# Altium PCB SupBigBrrg_0.PcbDoc (part 28 of 29) (continued)
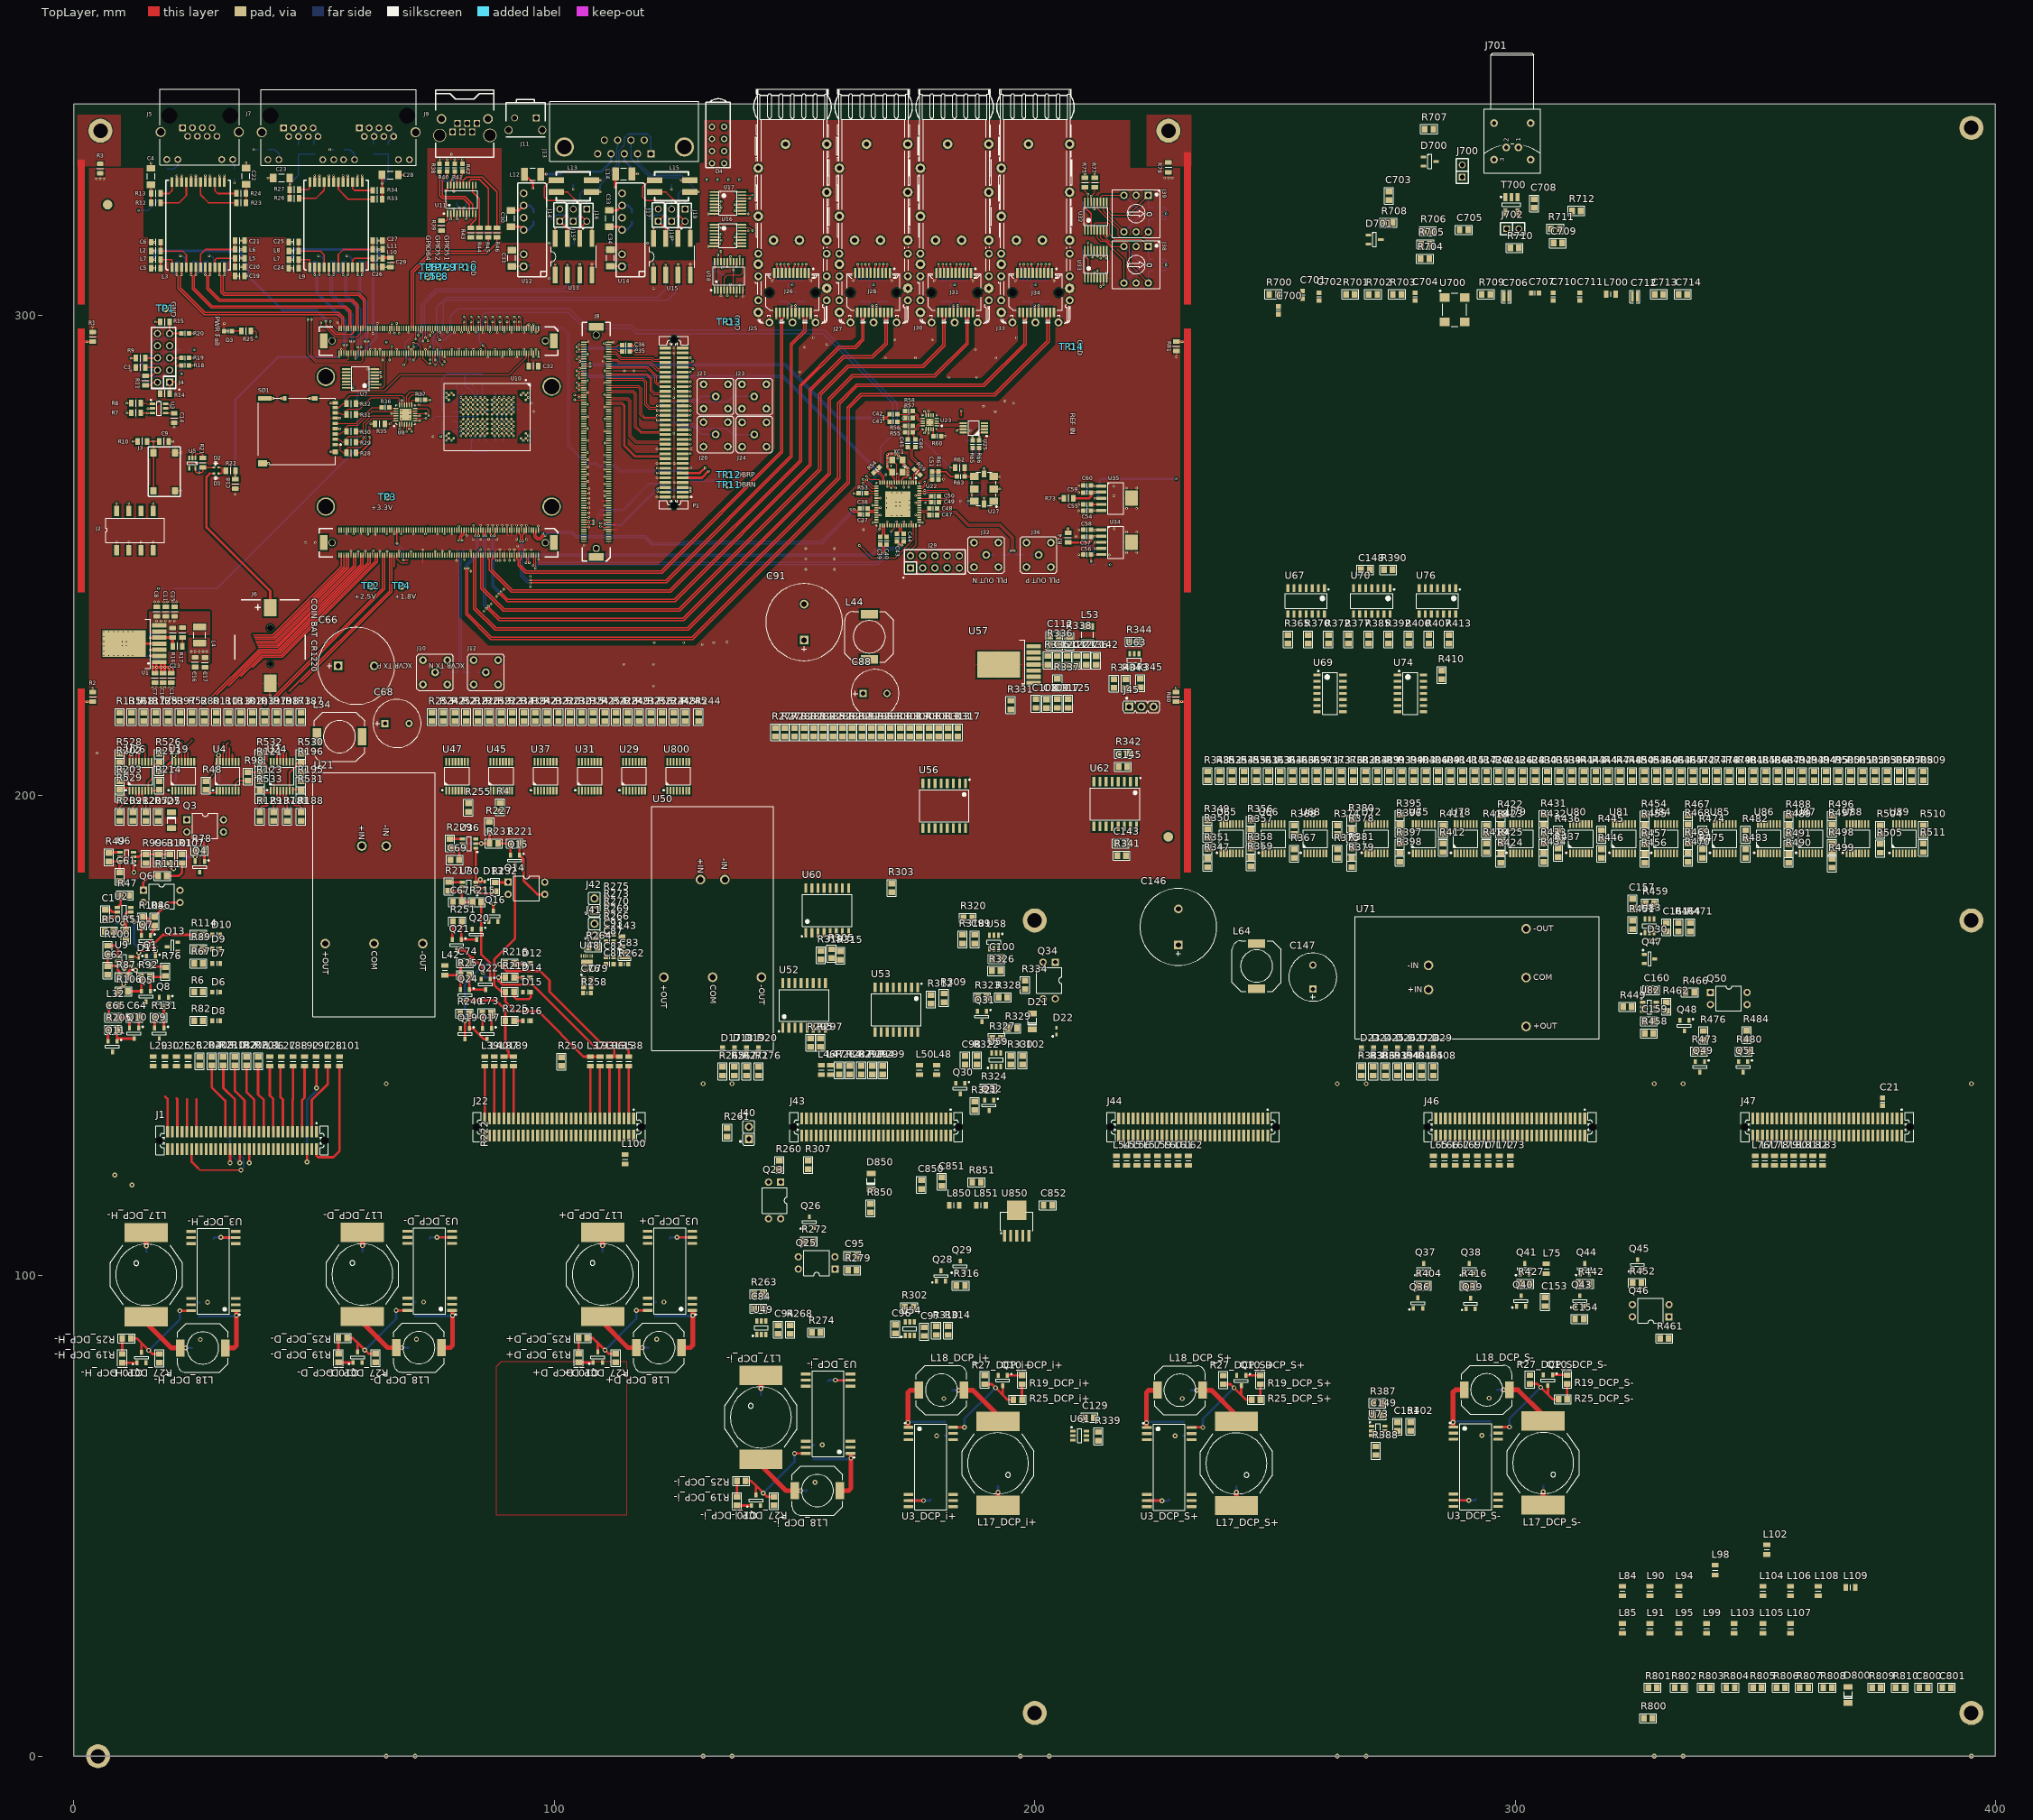
[diagram p0: TopLayer view]
## Nets (pads, with @x,y where several pads share a name; then routed paths per layer and width w, separated by ;. In a path a pad name is that pad's centre, name@x,y a point inside that pad or via, vN(x,y) a via of type N, cw(c..) or ccw(c..) an arc to the next point about the centre after c; other vN are vias at no path point) (continued)
  BottomLayer w0.15: R128.5@180.03,309.7 v1(180.03,310.595)
RateSel1_SFP3: J34.9 R109.5 U33.12 | length 22.7
  TopLayer w0.15: v1(213.05,312.25) U33.12@213.05,313.52
  TopLayer w0.3: v1(196.905,310.595) 196.905,310.17 197.2,309.875 J34.9@197.2,308.8
  MidLayer3 w0.15: v1(196.905,310.595) 196.905,311.055 197.125,311.275 199.775,311.275 200,311.05 200,310.525 200.45,310.075 203.93,310.075 205.41,311.555 212.805,311.555 213.05,311.8 v1(213.05,312.25)
  BottomLayer w0.15: R109.5@196.905,309.7 v1(196.905,310.595)
RL_CH0: R253.1 U47.14
RL_CH0dds: J22.62 U47.3
RL_CH1_1: R252.1 U47.12
RL_CH1_1dds: J22.58 U47.4
RL_CH1_2: R247.1 U47.13
RL_CH1_2dds: J22.54 U47.5
RST_R: J4.6 R9.1 R190.2 | length 8.2
  TopLayer w0.3: R9.1@14.875,291.05 17.33,291.05 J4.6@17.38,291.1
  BottomLayer w0.3: J4.6@17.38,291.1 18.68,292.4 20.975,292.4 21.36,292.785 R190.2@22.36,292.785
RSV0_: R187.1 U24.11 | length 1.9
  TopLayer w0.3: U24.11@44.225,207.071 44.225,208.925
RSV0_Host2i: R280.2 U56.4
RSV0i: R295.1 U56.13
RSV1_: R173.1 U24.12 | length 2.4
  TopLayer w0.3: U24.12@43.575,207.071 43.575,209.475
RSV1_Host2i: R282.2 U56.5
RSV1i: R303.1 U56.12
RSV2_: R198.1 U24.13 | length 2.3
  TopLayer w0.3: U24.13@42.925,207.071 42.925,209.375
RSV2_Host2i: R281.2 U56.6
RSV2i: R312.1 U56.11
RSV3_: R197.1 U24.14 | length 2
  TopLayer w0.3: U24.14@42.275,207.071 42.275,209.025
RSV3_i2Host: R308.2 U60.14
RSV3i: R315.1 U60.3
RSV4_: R168.1 U26.13 | length 3
  TopLayer w0.3: U26.13@13.529,207.071 13.529,210.036
RSV4_i2Host: R306.2 U60.13
RSV4i: R319.1 U60.4
RSV5_: R135.1 U26.14 | length 2.7
  TopLayer w0.3: U26.14@12.879,207.071 12.879,209.721
RSV5_i2Host: R311.2 U60.12
RSV5i: R305.1 U60.5
RSV6_: R117.1 U26.12
RSV6i: R307.1
RSV7_Host2i: R313.2 U62.3
RSV7i: R309.1 U62.14
RSV8_i2Host: R298.2 U52.12
RSV8i: R297.2 U52.5
RSV9_i2Host: R296.2 U52.11
RSV9i: U52.6
RSV10_Host2i: R300.2 U62.4
RSV10i: U62.13
RSV11_Host2i: R304.2 U62.5
RSV11i: U62.12
RSV12_Host2i: R301.2 U62.6
RSV12i: U62.11
RxLos_SFP0: J26.8 R138.6 U16.4 | length 22.9
  TopLayer w0.15: U16.4@133.255,316.925 v1(134.75,316.925)
  TopLayer w0.3: v1(147.08,310.595) 147.08,310.17 147.375,309.875 J26.8@147.375,308.8
  MidLayer4 w0.15: v1(134.75,316.925) 135.89,315.785 135.89,314.893 136.978,313.805 140.295,313.805 141.21,312.89 141.21,309.765 141.62,309.355 146.305,309.355 147.08,310.13 v1(147.08,310.595)
  BottomLayer w0.15: R138.6@147.08,309.7 v1(147.08,310.595)
RxLos_SFP1: J28.8 R134.6 U16.9 | length 31.7
  TopLayer w0.15: v1(137.9,314.325) U16.9@138.95,314.325
  TopLayer w0.3: v1(163.955,310.595) 163.955,310.17 164.25,309.875 J28.8@164.25,308.8
  MidLayer4 w0.15: v1@137.875,314.325 160.6,314.325 163.955,310.97 v1(163.955,310.595)
  BottomLayer w0.15: R134.6@163.955,309.7 v1(163.955,310.595)
RxLos_SFP2: J31.8 R128.6 U17.4 | length 74.4
  TopLayer w0.15: U17.4@133.255,323.7 v1(134.75,323.7)
  TopLayer w0.3: v1(180.83,310.595) 180.83,310.17 181.125,309.875 J31.8@181.125,308.8
  MidLayer4 w0.15: v1(134.75,323.7) 137.905,320.545 140.527,320.545 141.877,319.195 185.652,319.195 187.475,317.372 187.475,309.95 186.95,309.425 182,309.425 v1(180.83,310.595)
  BottomLayer w0.15: R128.6@180.83,309.7 v1(180.83,310.595)
RxLos_SFP3: J34.8 R109.6 U17.9 | length 72
  TopLayer w0.15: U17.9@139.095,321.1 v1(140.35,321.1)
  TopLayer w0.3: v1(197.705,310.595) 197.705,310.17 198,309.875 J34.8@198,308.8
  MidLayer4 w0.15: v1(140.35,321.1) 141.5,322.25 194.975,322.25 197.705,319.52 v1(197.705,310.595)
  BottomLayer w0.15: R109.6@197.705,309.7 v1(197.705,310.595)
SCLK: R235.1 U37.11
SCLK_host2hall: R113.1 U4.13 | length 4.2
  TopLayer w0.3: U4.13@31.675,207.071 31.675,210.575 32.2,211.1
SCLK_Host2i: R285.2 U53.4
SCLKdds: J22.34 U37.6
SCLKi: J43.34 U53.13
SDCARD_CLK: R36.2 SD1.5 | length 11.1
  TopLayer w0.15: SD1.5@54.375,277.475 58.725,277.475 62.05,280.8 R36.2@64.075,280.8
SDCARD_CMD: R30.2 SD1.3 U8.20 | length 15.2
  TopLayer w0.15: SD1.3@54.375,275.275 55.45,275.275 56,275.825 R30.2@56.7,275.825 56.7,276.725 57.05,277.075 59.05,277.075 62.025,280.05 U8.20@67.025,280.05
SDCARD_D0: R31.2 SD1.7 U8.18 | length 16.4
  TopLayer w0.15: SD1.7@54.375,279.675 55.4,279.675 55.75,279.325 R31.2@56.7,279.325 ; R31.2@56.7,279.7 56.7,280.15 57.025,280.475 59.5,280.475 61.825,282.8 67.475,282.8 67.775,282.5 U8.18@67.775,281.3
SDCARD_D1: R32.2 SD1.8 U8.16 | length 17.7
  TopLayer w0.15: SD1.8@54.375,280.775 55.225,280.775 56.025,281.575 R32.2@56.7,281.575 56.7,282.55 57.4,283.25 68.35,283.25 68.775,282.825 U8.16@68.775,281.3
SDCARD_D2: R28.2 SD1.1 U8.23 | length 19.6
  TopLayer w0.15: SD1.1@54.375,273.075 55.125,273.075 55.475,272.725 55.475,271.85 56,271.325 R28.2@56.7,271.325 56.7,272.125 57.025,272.45 59.7,272.45 60.775,273.525 60.775,277.3 62.025,278.55 U8.23@67.025,278.55
SDCARD_D3: R29.2 SD1.2 U8.22 | length 16.9
  TopLayer w0.15: SD1.2@54.375,274.175 55.2,274.175 55.8,273.575 R29.2@56.7,273.575 56.7,274.4 57.05,274.75 59.6,274.75 60.275,275.425 60.275,277.507 61.818,279.05 U8.22@67.025,279.05
SDEPAD1: SD1.9 | length 0.7
  TopLayer w0.5: v1(43.125,282.675) SD1.9@43.875,282.675
SDEPAD2: SD1.10 | length 1
  TopLayer w0.5: v1(53.375,281.725) SD1.10@54.375,281.725
SDEPAD3: SD1.11 | length 1
  TopLayer w0.5: v1(53.375,271.525) SD1.11@54.375,271.525
SDEPAD4: SD1.13 | length 1.8
  TopLayer w0.5: SD1.13@39.725,282.675 v1(41.5,282.675)
SDEPAD5: SD1.12 | length 1.2
  TopLayer w0.5: SD1.12@39.275,269.175 v1(40.475,269.175)
SDEPAD6: SD1.14 | length 1
  TopLayer w0.5: v1(49.075,282.675) SD1.14@50.075,282.675
SDIO_0_: R230.1 U37.12
SDIO_0_DIR: R241.2 U37.7
SDIO_0dds: J22.35 U37.5
SDIO_1&3_DIR: U45.8
SDIO_1_: R220.1 U37.13
SDIO_1dds: J22.38 U37.4
SDIO_2_: U37.14
SDIO_2_DIR: R242.1
SDIO_2dds: J22.39 U37.3
SDIO_3_: R234.1 U45.11
SDIO_3dds: J22.42 U45.6
SDIO_123_DIR: R239.1 U37.1 U37.2
SDIO_CLK: J8.A91 U8.9 | length 20.7
  TopLayer w0.15: U8.9@71.025,279.05 v1(71.95,279.05) ; v1(74.175,295.825) J8.A91@74.175,297.25
  MidLayer3 w0.15: v1(71.95,279.05) 71.18,279.82 71.18,284.63 72.775,286.225 72.775,289.4 73.675,290.3 73.675,293.775 74.175,294.275 v1(74.175,295.825)
SDIO_CMD: J8.A93 U8.4 | length 26.3
  TopLayer w0.15: v1(69.275,275.8) U8.4@69.275,277.3 ; v1(73.675,294.675) J8.A93@73.675,297.25
  MidLayer3 w0.15: v1(69.275,275.8) 69.85,275.225 70.475,275.225 70.825,275.575 70.825,284.775 72.455,286.405 72.455,293.03 73.675,294.25 v1(73.675,294.675)
SDIO_D0: J8.A95 U8.6 | length 24.2
  TopLayer w0.15: v1(70.275,275.8) U8.6@70.275,277.3 ; v1(73.175,295.3) J8.A95@73.175,297.25
  MidLayer3 w0.15: v1(70.275,275.8) 70.275,277.85 70.425,278 70.425,284.85 72.135,286.56 72.135,293.26 73.175,294.3 v1(73.175,295.3)
SDIO_D1: J8.A97 U8.7 | length 30.2
  TopLayer w0.15: U8.7@71.025,278.05 v1(71.95,278.05) ; v1(72.675,294.6) J8.A97@72.675,297.25
  MidLayer3 w0.15: v1(71.95,278.05) 71.95,276.15 70.705,274.905 69.295,274.905 68.775,275.425 68.775,283.675 70.305,285.205 70.31,285.205 71.815,286.71 71.815,293.465 72.675,294.325 v1(72.675,294.6)
SDIO_D2: J8.A101 U8.1 | length 24.4
  TopLayer w0.15: v1(67.775,276.375) U8.1@67.775,277.3 ; v1(71.675,295.825) J8.A101@71.675,297.25
  MidLayer3 w0.15: v1(67.775,276.375) 67.475,276.675 67.475,284.075 68.925,285.525 70.178,285.525 71.495,286.842 71.495,294.47 71.675,294.65 v1(71.675,295.825)
SDIO_D3: J8.A103 U8.3 | length 26.4
  TopLayer w0.15: v1(67.775,275.625) 68.775,276.625 U8.3@68.775,277.3 ; v1(71.175,295.025) J8.A103@71.175,297.25
  MidLayer3 w0.15: v1(67.775,275.625) 67.15,276.25 67.15,284.225 68.77,285.845 70.045,285.845 71.175,286.975 v1(71.175,295.025)
SDIO_SEL: J2.5 R35.1 U8.24 | length 68.9
  TopLayer w0.15: R35.1@64.675,277.375 v1(65.825,277.375) 66.5,278.05 U8.24@67.025,278.05
  TopLayer w0.25: J2.5@16.49,259.275 v1(16.49,260.845)
  MidLayer3 w0.15: v1(16.49,260.845) 16.49,266.765 33.175,283.45 59.75,283.45 v1(65.825,277.375)
SDO: R110.1 U4.14 | length 3.7
  TopLayer w0.3: U4.14@31.025,207.071 31.025,210.775
SDO_i2Host: R286.2 U52.14
SDOi: J43.38 U52.3
SFP_I2C_0.SCL: J26.5 R136.5 U18.6 | length 19.4
  TopLayer w0.15: U18.6@136.65,305.225 v1(136.65,306.4)
  TopLayer w0.3: J26.5@149.775,308.8 149.775,309.975 150.03,310.23 v1(150.03,310.595)
  MidLayer3 w0.15: v1(136.65,306.4) 136.65,307 139,309.35 148.785,309.35 v1(150.03,310.595)
  BottomLayer w0.15: R136.5@150.03,309.7 v1(150.03,310.595)
SFP_I2C_0.SDA: J26.4 R136.6 U18.5 | length 22.1
  TopLayer w0.15: v1(136,304.05) U18.5@136,305.225
  TopLayer w0.3: J26.4@150.575,308.8 150.575,309.925 150.83,310.18 v1(150.83,310.595)
  MidLayer3 w0.15: v1(136,304.05) 137.61,305.66 137.61,306.585 138.05,307.025 143.125,307.025 145.125,309.025 149.26,309.025 v1(150.83,310.595)
  BottomLayer w0.15: R136.6@150.83,309.7 v1(150.83,310.595)
SFP_I2C_1.SCL: J28.5 R133.5 U18.9 | length 35.8
  TopLayer w0.15: U18.9@138.6,305.15 U18.9@138.6,305.225 v1(138.6,306.325)
  TopLayer w0.3: J28.5@166.65,308.8 166.65,309.975 166.905,310.23 v1(166.905,310.595)
  MidLayer3 w0.15: v1(138.6,306.325) 142.878,306.325 145.153,308.6 154.128,308.6 155.703,307.025 158.3,307.025 158.825,306.5 162.81,306.5 v1(166.905,310.595)
  BottomLayer w0.15: R133.5@166.905,309.7 v1(166.905,310.595)
SFP_I2C_1.SDA: J28.4 R133.6 U18.8 | length 40.8
  TopLayer w0.15: v1(137.95,303.975) U18.8@137.95,305.15
  TopLayer w0.3: J28.4@167.45,308.8 167.45,309.925 167.705,310.18 v1(167.705,310.595)
  MidLayer3 w0.15: v1(137.95,303.975) 138.5,304.525 139.65,305.675 142.7,305.675 145.225,308.2 154.075,308.2 155.46,306.815 155.46,304.965 156.125,304.3 157.625,304.3 159.5,306.175 163.285,306.175 v1(167.705,310.595)
  BottomLayer w0.15: R133.6@167.705,309.7 v1(167.705,310.595)
SFP_I2C_2.SCL: J31.5 R126.5 U18.13 | length 53.2
  TopLayer w0.15: v1(137.95,310.05) U18.13@137.95,311.125
  TopLayer w0.3: J31.5@183.525,308.8 183.525,309.975 183.78,310.23 v1(183.78,310.595)
  MidLayer3 w0.15: v1@137.975,310.025 141.875,313.925 181.325,313.925 183.78,311.47 v1(183.78,310.595)
  BottomLayer w0.15: R126.5@183.78,309.7 v1(183.78,310.595)
SFP_I2C_2.SDA: J31.4 R126.6 U18.12 | length 52.6
  TopLayer w0.15: U18.12@138.6,311.125 v1(138.6,312.2)
  TopLayer w0.3: J31.4@184.325,308.8 184.325,309.925 184.58,310.18 v1(184.58,310.595)
  MidLayer3 w0.15: v1(138.6,312.2) 139.69,312.2 141.765,314.275 181.45,314.275 184.58,311.145 v1(184.58,310.595)
  BottomLayer w0.15: R126.6@184.58,309.7 v1(184.58,310.595)
SFP_I2C_3.SCL: J34.5 R105.5 U18.16 | length 74.4
  TopLayer w0.15: v1(136,310.05) U18.16@136,311.125
  TopLayer w0.3: J34.5@200.4,308.8 200.4,309.975 200.655,310.23 v1(200.655,310.595)
  MidLayer3 w0.15: v1(136,310.05) 137.225,311.275 137.225,311.675 138.25,312.7 139.725,312.7 143.9,316.875 179.95,316.875 182.82,314.005 193.97,314.005 194.925,313.05 198.525,313.05 200.655,310.92 v1(200.655,310.595)
  BottomLayer w0.15: R105.5@200.655,309.7 v1(200.655,310.595)
SFP_I2C_3.SDA: J34.4 R105.6 U18.15 | length 73.5
  TopLayer w0.15: U18.15@136.65,311.125 v1(136.65,312.2)
  TopLayer w0.3: J34.4@201.2,308.8 201.2,309.925 201.455,310.18 v1(201.455,310.595)
  MidLayer3 w0.15: v1(136.65,312.2) 137.075,312.2 137.925,313.05 139.6,313.05 143.745,317.195 180.083,317.195 182.953,314.325 194.103,314.325 195.058,313.37 198.68,313.37 v1(201.455,310.595)
  BottomLayer w0.15: R105.6@201.455,309.7 v1(201.455,310.595)
SFP_IO_0.TxDis: J26.3 R136.7 U16.6 | length 29.5
  TopLayer w0.15: U16.6@133.4,315.625 v1(134.75,315.625)
  TopLayer w0.3: J26.3@151.375,308.8 151.375,309.95 151.63,310.205 v1(151.63,310.595)
  MidLayer4 w0.15: v1(134.75,315.625) 135.25,315.125 135.25,314.628 136.713,313.165 140.03,313.165 140.57,312.625 ; 140.57,312.61 140.57,307.802 141.692,306.68 147.715,306.68 v1(151.63,310.595)
  BottomLayer w0.15: R136.7@151.63,309.7 v1(151.63,310.595)
SFP_IO_0.TxFault: J26.2 R136.8 U16.7 | length 30
  TopLayer w0.15: U16.7@133.4,314.975 v1(134.45,314.975)
  TopLayer w0.3: J26.2@152.175,308.8 152.175,309.95 152.43,310.205 v1(152.43,310.595)
  MidLayer4 w0.15: v1(134.45,314.975) 136.58,312.845 139.897,312.845 140.25,312.492 140.25,307.67 141.57,306.35 148.185,306.35 v1(152.43,310.595)
  BottomLayer w0.15: R136.8@152.43,309.7 v1(152.43,310.595)
SFP_IO_1.TxDis: J28.3 R133.7 U16.11 | length 39.3
  TopLayer w0.15: v1@137.895,315.625 v1(137.9,315.625) U16.11@139.095,315.625
  TopLayer w0.3: J28.3@168.25,308.8 168.25,309.95 168.505,310.205 v1(168.505,310.595)
  MidLayer4 w0.15: v1@138.02,315.625 142.55,315.625 144.35,317.425 163.7,317.425 163.825,317.425 165.875,315.375 165.875,314.15 168.505,311.52 v1(168.505,310.595)
  BottomLayer w0.15: R133.7@168.505,309.7 v1(168.505,310.595)
SFP_IO_1.TxFault: J28.2 R133.8 U16.12 | length 40.6
  TopLayer w0.15: v1(137.6,316.275) U16.12@139.095,316.275
  TopLayer w0.3: J28.2@169.05,308.8 169.05,309.95 169.305,310.205 v1(169.305,310.595)
  MidLayer4 w0.15: v1(137.6,316.275) 142.747,316.275 144.217,317.745 163.833,317.745 163.958,317.745 166.195,315.508 166.195,314.33 169.305,311.22 v1(169.305,310.595)
  BottomLayer w0.15: R133.8@169.305,309.7 v1(169.305,310.595)
SFP_IO_2.TxDis: J31.3 R126.7 U17.6 | length 67.1
  TopLayer w0.15: U17.6@133.4,322.4 v1(134.75,322.4)
  TopLayer w0.3: J31.3@185.125,308.8 185.125,309.95 185.38,310.205 v1(185.38,310.595)
  MidLayer4 w0.15: v1(134.75,322.4) 135.025,322.4 137.53,319.895 140.258,319.895 141.608,318.545 185.383,318.545 186.825,317.103 186.825,311 186.825,310.25 186.65,310.075 185.75,310.075 185.38,310.445 v1(185.38,310.595)
  BottomLayer w0.15: R126.7@185.38,309.7 v1(185.38,310.595)
SFP_IO_2.TxFault: J31.2 R126.8 U17.7 | length 64.4
  TopLayer w0.15: U17.7@133.4,321.75 v1(134.45,321.75)
  TopLayer w0.3: J31.2@185.925,308.8 185.925,309.95 186.18,310.205 v1(186.18,310.595)
  MidLayer4 w0.15: v1(134.45,321.75) 135.2,321.75 137.375,319.575 140.125,319.575 141.475,318.225 185.25,318.225 186.505,316.97 186.505,310.92 v1(186.18,310.595)
  BottomLayer w0.15: R126.8@186.18,309.7 v1(186.18,310.595)
SFP_IO_3.TxDis: J34.3 R105.7 U17.11 | length 76.7
  TopLayer w0.15: v1@137.895,322.4 v1(137.9,322.4) U17.11@139.095,322.4
  TopLayer w0.3: J34.3@202,308.8 202,309.95 202.255,310.205 v1(202.255,310.595)
  MidLayer4 w0.15: v1(137.9,322.4) 139.65,322.4 140.14,322.89 195.24,322.89 198.345,319.785 198.345,314.955 202.255,311.045 v1(202.255,310.595)
  BottomLayer w0.15: R105.7@202.255,309.7 v1(202.255,310.595)
SFP_IO_3.TxFault: J34.2 R105.8 U17.12 | length 77.9
  TopLayer w0.15: v1(137.6,323.05) U17.12@139.095,323.05
  TopLayer w0.3: J34.2@202.8,308.8 202.8,309.95 203.055,310.205 v1(203.055,310.595)
  MidLayer4 w0.15: v1(137.6,323.05) 139.59,323.05 139.75,323.21 195.373,323.21 198.665,319.918 198.665,315.61 203.055,311.22 v1(203.055,310.595)
  BottomLayer w0.15: R105.8@203.055,309.7 v1(203.055,310.595)
SFP_RX_0.IO_N: J8.B20 J26.13 | length 97.7
  TopLayer w0.25: J8.B20@92.175,250.05 92.175,249.375 92.463,249.088 92.463,247.863 94,246.325 122.404,246.325 147.55,271.471 147.55,299.3 147.75,299.5 J26.13@147.75,300.625
SFP_RX_0.IO_P: J8.B16 J26.12 | length 96.3
  TopLayer w0.25: J8.B16@93.175,250.05 93.175,249.375 92.888,249.088 92.888,248.039 94.176,246.75 122.228,246.75 147.125,271.647 147.125,299.325 146.95,299.5 J26.12@146.95,300.625
SFP_RX_1.IO_N: J8.B44 J28.13 | length 119.8
  TopLayer w0.25: J8.B44@86.175,250.05 86.175,249.375 86.463,249.088 86.463,246.963 91.05,242.375 124.25,242.375 151.5,269.625 151.5,285.224 159.351,293.075 162.725,293.075 164.463,294.813 164.463,299.287 164.65,299.475 J28.13@164.65,300.6
SFP_RX_1.IO_P: J8.B40 J28.12 | length 118.4
  TopLayer w0.25: J8.B40@87.175,250.05 87.175,249.375 86.888,249.088 86.888,247.139 91.226,242.8 124.074,242.8 151.075,269.801 151.075,285.4 159.175,293.5 162.549,293.5 164.038,294.989 164.038,299.287 163.85,299.475 J28.12@163.85,300.6
SFP_RX_2.IO_N: J8.B50 J31.13 | length 144.6
  TopLayer w0.25: J8.B50@84.675,250.05 84.675,249.375 84.713,249.337 84.713,243.061 89.349,238.425 126.076,238.425 155.45,267.799 155.45,283.374 161.201,289.125 176.814,289.125 181.313,293.624 181.313,299.262 181.525,299.475 J31.13@181.525,300.6
SFP_RX_2.IO_P: J8.B48 J31.12 | length 143.1
  TopLayer w0.25: J8.B48@85.175,250.05 85.175,249.375 85.138,249.337 85.138,246.663 85.138,243.238 89.525,238.85 125.9,238.85 155.025,267.975 155.025,283.55 161.025,289.55 176.638,289.55 180.888,293.8 180.888,299.312 180.725,299.475 J31.12@180.725,300.6
SFP_RX_3.IO_N: J8.B56 J34.13 | length 168.5
  TopLayer w0.25: J8.B56@83.175,250.05 83.175,249.375 83.213,249.338 83.213,238.911 87.649,234.475 127.894,234.475 159.4,265.981 159.4,281.524 163.051,285.175 189.526,285.175 198.213,293.861 198.213,299.287 198.4,299.475 J34.13@198.4,300.6
SFP_RX_3.IO_P: J8.B54 J34.12 | length 167.1
  TopLayer w0.25: J8.B54@83.675,250.05 83.675,249.375 83.638,249.337 83.638,239.088 87.825,234.9 127.718,234.9 158.975,266.157 158.975,281.7 162.875,285.6 189.35,285.6 197.788,294.038 197.788,299.287 197.6,299.475 J34.12@197.6,300.6
SFP_TX_0.IO_N: J8.B17 J26.19 | length 109.3
  TopLayer w0.25: J8.B17@92.675,255.25 92.675,254.575 92.963,254.288 92.963,253.097 v1(92.84,252.975) ; v1(94.975,244.228) v1@95.098,244.35 ; v1@94.975,244.35 123.33,244.35 149.525,270.545 149.525,293.788 152.388,296.65 152.388,299.287 152.575,299.475 J26.19@152.575,300.6
  BottomLayer w0.25: v1(92.84,252.975) 92.963,252.852 92.963,245.731 94.344,244.35 94.853,244.35 v1(94.975,244.228)
SFP_TX_0.IO_P: J8.B13 J26.18 | length 107.7
  TopLayer w0.25: v1(93.51,252.975) 93.388,253.097 93.388,254.288 93.675,254.575 J8.B13@93.675,255.25 ; v1(94.975,244.898) 95.098,244.775 123.154,244.775 149.1,270.721 149.1,293.964 151.963,296.826 151.963,299.287 151.775,299.475 J26.18@151.775,300.6
  BottomLayer w0.25: v1(93.51,252.975) 93.388,252.852 93.388,245.908 94.52,244.775 94.853,244.775 v1(94.975,244.898)
SFP_TX_1.IO_N: J8.B41 J28.19 | length 133.5
  TopLayer w0.25: J8.B41@86.675,255.25 86.675,254.575 86.849,254.401 v1(86.849,254.075) ; v1(88.451,241.951) 88.625,241.951 90.176,240.4 91.999,240.4 125.164,240.4 153.475,268.711 153.475,284.299 160.276,291.1 166.326,291.1 169.263,294.036 169.263,299.287 169.45,299.475 J28.19@169.45,300.6
  BottomLayer w0.25: v1(86.849,254.075) 86.984,253.939 86.984,243.591 88.451,242.124 v1(88.451,241.951)
SFP_TX_1.IO_P: J8.B37 J28.18 | length 132.1
  TopLayer w0.25: v1(87.545,254.075) 87.545,254.445 87.675,254.575 J8.B37@87.675,255.25 ; v1(88.925,242.425) 88.925,242.252 90.352,240.825 92.175,240.825 124.988,240.825 153.05,268.887 153.05,284.475 160.1,291.525 166.15,291.525 168.838,294.213 168.838,299.287 168.65,299.475 J28.18@168.65,300.6
  BottomLayer w0.25: v1(87.545,254.075) 87.409,253.939 87.409,243.767 88.752,242.425 v1(88.925,242.425)
SFP_TX_2.IO_N: J8.B47 J31.19 | length 157.6
  TopLayer w0.25: v1(85.124,254.075) v1@85.175,254.126 ; J8.B47@85.175,255.25 85.175,254.575 85.213,254.537 v1@85.213,254.075 ; v1(85.838,238.938) 86.011,238.938 88.499,236.45 126.97,236.45 157.425,266.905 157.425,282.449 162.126,287.15 179.264,287.15 186.138,294.024 186.138,299.287 186.325,299.475 J31.19@186.325,300.6
  BottomLayer w0.25: v1(85.124,254.075) 85.259,253.939 85.259,239.69 85.838,239.111 v1(85.838,238.938)
SFP_TX_2.IO_P: J8.B45 J31.18 | length 156.2
  TopLayer w0.25: J8.B45@85.675,255.25 85.675,254.575 85.638,254.537 85.638,254.258 v1(85.82,254.075) ; v1(86.312,239.412) 86.312,239.238 88.675,236.875 89.72,236.875 126.794,236.875 157,267.081 157,282.625 161.95,287.575 179.088,287.575 185.713,294.2 185.713,299.287 185.525,299.475 J31.18@185.525,300.6
  BottomLayer w0.25: v1(85.82,254.075) 85.684,253.939 85.684,239.866 86.138,239.412 v1(86.312,239.412)
SFP_TX_3.IO_N: J8.B53 J34.19 | length 183.2
  TopLayer w0.25: v1(81.428,247.35) 81.55,247.227 81.55,237.724 86.774,232.5 128.8,232.5 161.375,265.075 161.375,280.624 163.951,283.2 191.714,283.2 203.013,294.499 203.013,299.287 203.2,299.475 J34.19@203.2,300.6 ; v1(83.578,254.075) 83.578,254.176 83.675,254.273 83.675,254.575 J8.B53@83.675,255.25
  BottomLayer w0.25: v1(81.428,247.35) 81.55,247.472 81.55,248.049 83.7,250.199 83.7,253.952 v1(83.578,254.075)
SFP_TX_3.IO_P: J8.B51 J34.18 | length 181.8
  TopLayer w0.25: v1(82.098,247.35) 81.975,247.227 81.975,237.9 86.95,232.925 128.624,232.925 160.95,265.251 160.95,280.8 163.775,283.625 191.538,283.625 202.588,294.675 202.588,299.287 202.4,299.475 J34.18@202.4,300.6 ; J8.B51@84.175,255.25 84.175,254.147 v1(84.248,254.075)
  BottomLayer w0.25: v1(82.098,247.35) 81.975,247.472 81.975,247.873 84.125,250.023 84.125,253.952 v1(84.248,254.075)
Start_dDCP+: U69.10 U76.11
Start_dDCP-: U69.13 U76.12
Start_hDCP: U74.2 U76.5
Start_iDCP+: U69.2 U76.6
Start_iDCP-: U69.5 U76.10
Start_sDCP+: U67.1 U67.2 U74.5 U76.13
Start_sDCP-: U67.3 U74.10
StripGND: R1.2 | length 3.4
  TopLayer w0.5: 1.7,294.5 R1.2@3.9,294.5
  BottomLayer w0.5: 1.4,294.5 v1(2.65,294.5)
StripGND_T: R81.2 | length 3.4
  TopLayer w0.5: R81.2@229.45,294.5 231.65,294.5
  BottomLayer w0.5: v1(230.675,294.5) 231.925,294.5
SW: R80.1@27.117,215.5 U19.11 | length 2.1
  TopLayer w0.3: U19.11@23.725,207.071 23.725,209.125
Sync_clk: R223.1 U45.12
SYNC_In: R226.1 U45.14
SYNC_In_dds: J22.47 U45.3
SyncClk_dds: J22.43 U45.5
SyncOut_: R218.1 U47.11
SyncOut_dds: J22.50 U47.6
TCK_R: J4.1 R14.1 R18.2 U44.1 | length 16.7
  TopLayer w0.25: R14.1@19.925,283.675 19.925,286.015 J4.1@19.92,286.02 J4.1@19.96,286.06
  TopLayer w0.3: J4.1@19.96,286.06 20.86,286.06 21.225,286.425 21.225,289.25 21.475,289.5 R18.2@22.375,289.5
  BottomLayer w0.3: U44.1@12.835,287.61 13.81,287.61 16.685,284.735 18.635,284.735 J4.1@19.92,286.02
TDI_R: J4.9 R15.1 R20.2 U44.3 | length 16.1
  TopLayer w0.25: J4.9@19.92,296.18 J4.9@19.95,296.21
  TopLayer w0.3: J4.9@19.92,296.18 19.92,298.57 R15.1@19.925,298.575 ; J4.9@19.95,296.21 R20.2@22.36,296.21
  BottomLayer w0.3: U44.3@12.835,289.51 13.76,289.51 16.085,291.835 16.085,294.26 16.76,294.935 18.675,294.935 J4.9@19.92,296.18
TDO_R: J4.3 R177.2 U44.6 | length 58.8
  MidLayer3 w0.15: J4.3@19.92,288.56 25.535,288.56 26.5,289.525 26.5,292.025 25.6,292.925 25.6,294.3 27.25,295.95 60.765,295.95 61.74,294.975 64.5,294.975 v1(65.075,294.4)
  BottomLayer w0.15: v1(65.075,294.4) R177.2@65.075,295.15
  BottomLayer w0.3: U44.6@15.435,287.61 16.335,287.61 16.685,287.26 18.62,287.26 J4.3@19.92,288.56
TMS_R: J4.5 R19.2 R191.1 U44.4 | length 10.1
  TopLayer w0.3: J4.5@19.92,291.1 22.35,291.1 R19.2@22.36,291.11
  BottomLayer w0.3: U44.4@15.435,289.51 16.285,289.51 16.635,289.86 18.68,289.86 J4.5@19.92,291.1 19.945,291.125 R191.1@22.375,291.125
TX_LEMO_N: C185.1 R159.2 R160.1 | length 27.6
  BottomLayer w0.25: C185.1@81.075,251.475 81.075,250.875 80.638,250.438 80.638,248.461 80.563,248.386 80.563,247.586 80.53,247.553 80.53,247.052 80.563,247.019 80.563,246.992 80.638,246.917 80.638,231.713 80.625,231.7 80.625,226.625 81.1,226.15 R160.1@81.1,225.7 81.15,225.65 R159.2@82.45,225.65
TX_LEMO_P: C188.1 R161.1 R162.2 | length 27.6
  BottomLayer w0.25: R162.2@78.425,225.65 79.7,225.65 R161.1@79.75,225.7 79.75,226.175 80.2,226.625 80.2,246.753 80.138,246.816 80.138,246.843 80.105,246.876 80.105,247.729 80.138,247.762 80.138,248.562 80.213,248.637 80.213,250.438 79.775,250.875 C188.1@79.775,251.475
UART_CTS: R44.1
UART_RTS: R43.1
UART_RX: J8.A105 R46.1 | length 32.7
  TopLayer w0.25: J8.A105@70.675,297.25 70.675,308.893 74.657,312.875 85.875,312.875 88.025,315.025 R46.1@88.025,316.175
UART_TX: J8.A107 R45.1 | length 31.9
  TopLayer w0.25: J8.A107@70.175,297.25 70.175,309.1 74.45,313.375 85.225,313.375 86.225,314.375 R45.1@86.225,316.175
USB3_SSRX_N: J8.A141
USB3_SSRX_P: J8.A137
USB3_SSTX_N: J8.A140
USB3_SSTX_P: J8.A136
VBUT: C18.2 J8.A168 R22.1 | length 42.6
  TopLayer w0.2: v1(55.175,291.25) J8.A168@55.175,292.05
  TopLayer w0.25: C18.2@33.6,265.875 C18.2@33.61,265.885 v1(33.61,266.7)
  BottomLayer w0.5: v1@33.6,266.7 33.6,282.4 42.45,291.25 v1(55.175,291.25)
VCCRSFP_U_SFPplusConn_0: C155.2 C158.2 J26.15 L23.2 | length 5.5
  TopLayer w0.25: J26.15@149.375,300.6 v1(149.375,302)
  MidLayer3 w0.15: v1(149.375,302) v1@149.4,302.025
  BottomLayer w0.25: C158.2@146.775,302.825 L23.2@148.655,302.825 148.655,302.72 v1(149.375,302) 148.85,301.475 C155.2@148.85,301.125
VCCRSFP_U_SFPplusConn_1: C140.2 C144.2 J28.15 L21.2 | length 5.6
  TopLayer w0.25: J28.15@166.25,300.6 v1(166.25,302)
  MidLayer3 w0.15: v1(166.25,302) v1@166.275,302.025
  BottomLayer w0.25: C144.2@163.605,302.8 165.505,302.8 L21.2@165.53,302.825 165.53,302.72 v1(166.25,302) 165.725,301.475 C140.2@165.725,301.125
VCCRSFP_U_SFPplusConn_2: C110.2 C113.2 J31.15 L19.2 | length 5.6
  TopLayer w0.25: J31.15@183.125,300.6 v1(183.125,302)
  MidLayer3 w0.15: v1(183.125,302) v1@183.15,302.025
  BottomLayer w0.25: C113.2@180.48,302.8 182.38,302.8 L19.2@182.405,302.825 183.125,302.105 v1(183.125,302) 182.6,301.475 C110.2@182.6,301.125
VCCRSFP_U_SFPplusConn_3: C89.2 C92.2 J34.15 L17.2 | length 5.6
  TopLayer w0.25: J34.15@200,300.6 v1(200,302)
  MidLayer3 w0.15: v1(200,302) v1@200.025,302.025
  BottomLayer w0.25: C92.2@197.355,302.8 197.38,302.825 L17.2@199.28,302.825 199.28,302.72 v1(200,302) 199.475,301.475 C89.2@199.475,301.125
VCCTSFP_U_SFPplusConn_0: C150.2 C152.2 J26.16 L22.2 | length 5.4
  TopLayer w0.25: J26.16@150.175,300.6 v1(150.175,302.025)
  BottomLayer w0.3: C152.2@150.7,301.1 150.7,301.5 v1(150.175,302.025) 150.53,302.38 L22.2@150.53,302.825 C150.2@152.425,302.825
VCCTSFP_U_SFPplusConn_1: C130.2 C134.2 J28.16 L20.2 | length 5.4
  TopLayer w0.25: J28.16@167.05,300.6 v1(167.05,302.025)
  BottomLayer w0.25: C134.2@167.575,301.1 167.575,301.5 v1(167.05,302.025) 167.405,302.38 L20.2@167.405,302.825 C130.2@169.305,302.825
VCCTSFP_U_SFPplusConn_2: C101.2 C105.2 J31.16 L18.2 | length 5.4
  TopLayer w0.25: J31.16@183.925,300.6 v1(183.925,302.025)
  BottomLayer w0.25: C105.2@184.45,301.1 184.45,301.5 v1(183.925,302.025) 184.28,302.38 L18.2@184.28,302.825 C101.2@186.18,302.825
VCCTSFP_U_SFPplusConn_3: C85.2 C86.2 J34.16 L16.2 | length 5.4
  TopLayer w0.25: J34.16@200.8,300.6 v1(200.8,302.025)
  BottomLayer w0.25: C86.2@201.325,301.1 201.325,301.5 v1(200.8,302.025) 201.155,302.38 L16.2@201.155,302.825 C85.2@203.055,302.825
VD_TMP: C8.2 C11.2 C15.1 C217.2 C219.1 C223.1 L4.1 R16.1 R17.1 R189.2 U1.6 U1.7
  other v1: 17.175,236.355 18.125,236.355 19.05,236.355 19.975,236.355 20.925,236.355
XGND: U22.7 U22.10 XC1.2 XC1.4 | length 16.3
  TopLayer w0.25: XC1.4@170.325,267.3 170.325,266.5 170.775,266.05 U22.10@170.775,265.125 ; U22.7@172.275,265.125 172.275,265.775 172.725,266.225 173.25,266.225 173.575,266.55 v1(173.575,266.775)
  TopLayer w0.5: XC1.4@170.325,267.3 169.275,268.35 169.275,270.875 169.525,271.125 171.3,271.125 XC1.2@172.525,269.9 172.525,269.2 v1(173.575,268.15) v1(173.575,266.775)
  other v1: 173.575,267.425 169.275,268.6 173.05,268.675 169.275,269.4 169.275,270.225 171.6,270.825 169.375,271 170.975,271.125 170.125,271.15
XTAL: C51.1 R61.1 R63.2 | length 5.6
  TopLayer w0.25: C51.1@178.625,267.425 R61.1@180,267.425 181.5,267.425 182.5,266.425 R63.2@183.825,266.425
ZDIN_N: C49.2 R130.1 U22.62 | length 11.1
  TopLayer w0.15: U22.62@175.975,263.425 176.475,263.425 176.563,263.338 176.928,263.338 v1(177.1,263.51) ; 177.275,263.325 177.49,263.325 177.69,263.525 181.685,263.525 182.15,263.06 182.15,261.865 181.797,261.512 180.538,261.512 C49.2@180.075,261.05
  BottomLayer w0.15: v1(177.1,263.51) 177.56,263.51 R130.1@178.025,263.975
ZDIN_P: C50.2 R130.2 U22.61 | length 10
  TopLayer w0.15: U22.61@175.975,262.925 176.475,262.925 176.563,263.013 176.928,263.013 v1(177.1,262.84) ; v1@177.275,263 177.625,263 177.825,263.2 181.55,263.2 181.825,262.925 181.825,262 181.663,261.838 180.538,261.838 C50.2@180.075,262.3
  BottomLayer w0.15: v1(177.1,262.84) 177.56,262.84 R130.2@178.025,262.375
ZDO_N: C49.1 U22.58 | length 2.7
  TopLayer w0.15: U22.58@175.975,261.425 176.475,261.425 176.563,261.513 178.013,261.513 C49.1@178.475,261.05
ZDO_P: C50.1 U22.59 | length 2.7
  TopLayer w0.15: U22.59@175.975,261.925 176.475,261.925 176.563,261.838 178.013,261.838 C50.1@178.475,262.3